# Altium PCB MiniPC.PcbDoc (part 21 of 23)
Units mm, origin at the board's own origin, x right, y up, seen from the top; angles counter-clockwise.
Board outline 175 x 155 mm, 16 copper layers (1_Top, 2_int1_(gnd), 3_int2_(power), 4_int3_(gnd), 5_int4_(sign), 6_int5_(power), 7_int6_(sign), 8_int7_(power), 9_int8_(gnd), 10_int9_(sign), 11_int10_(gnd), 12_int11_(sign), 13_int12_(gnd), 14_int13_(power), 15_int14_(gnd), 16_Bottom), stack 2.008 mm thick; 1046 components, 841 nets, 6010 pads, 4016 vias.
Unrouted connection lines stored in the file: 602.
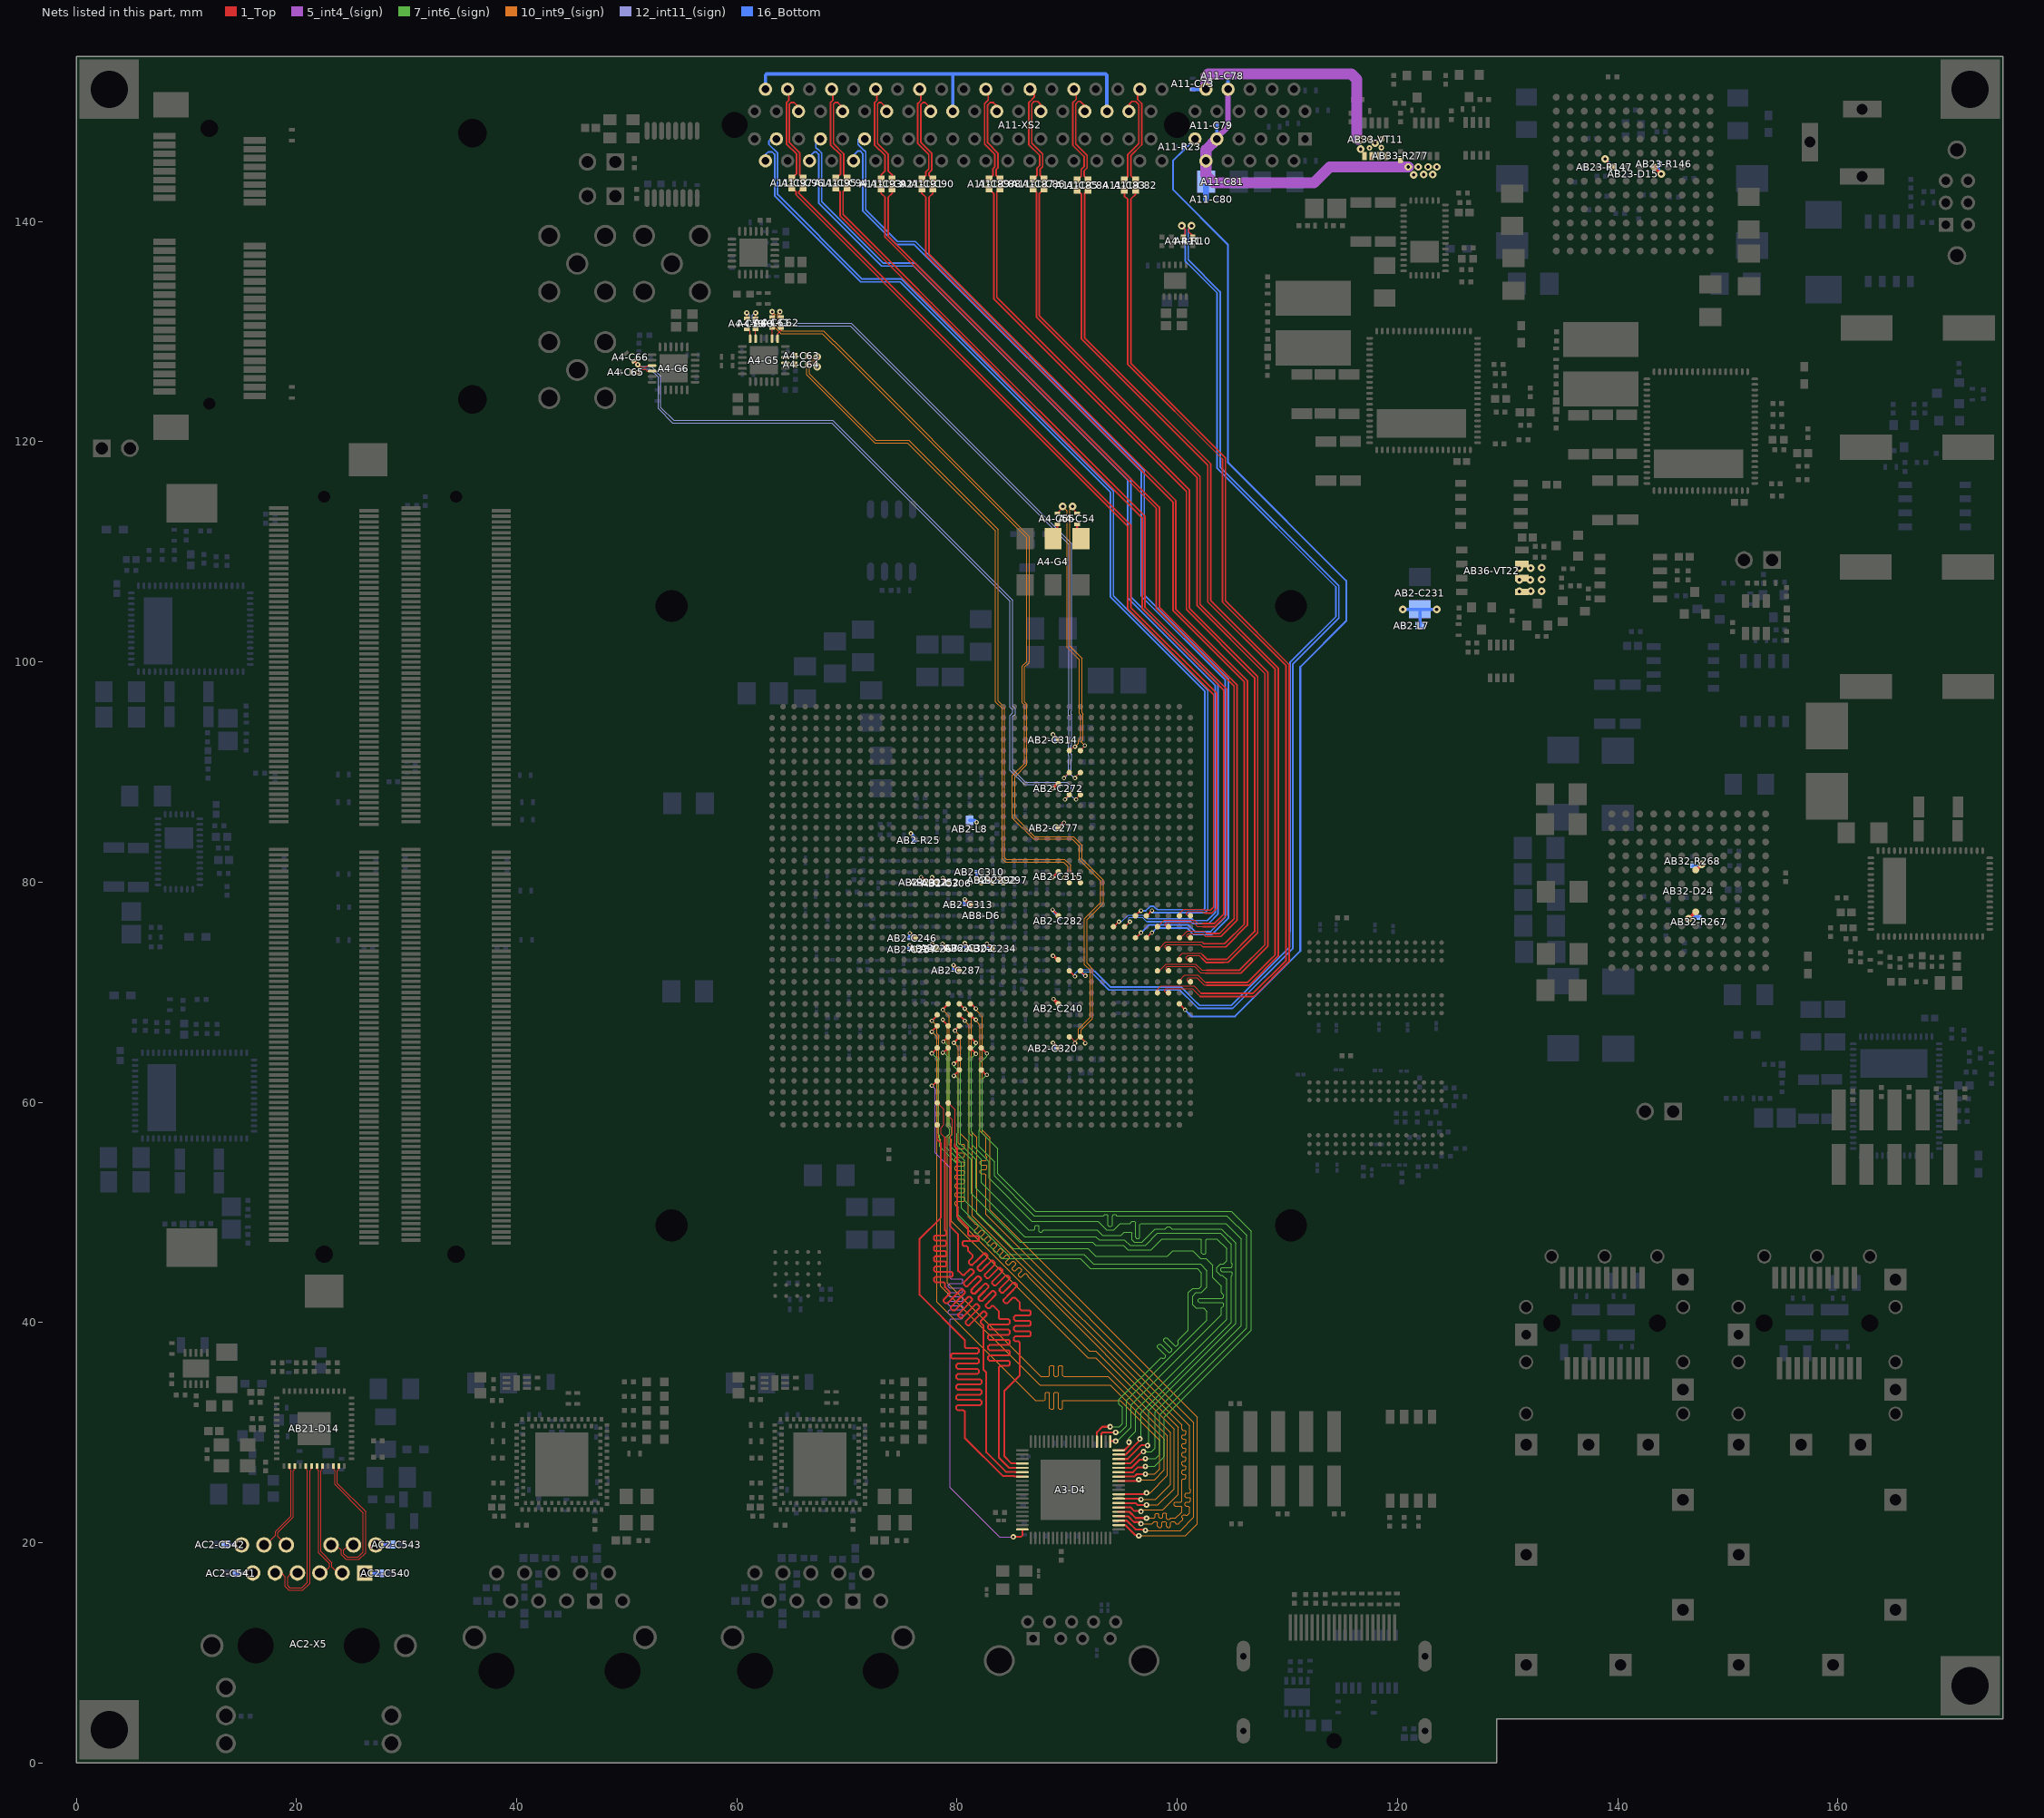
[diagram p35: the nets of this part, all layers, seen from the top]

## Via types
v1: diameter 0.4, hole 0.2, 1_Top to 16_Bottom, tented both sides, 1658 vias
v2: diameter 0.7, hole 0.3, 1_Top to 16_Bottom, tented both sides, 915 vias
v3: diameter 0.5, hole 0.2, 1_Top to 16_Bottom, tented both sides, 854 vias
v4: diameter 0.6, hole 0.2, 1_Top to 16_Bottom, 278 vias
v5: diameter 0.5, hole 0.2, 1_Top to 16_Bottom, 162 vias
v6: diameter 0.4, hole 0.2, 1_Top to 16_Bottom, 100 vias
v7: diameter 0.4/0/0/0/0/0/0/0/0/0/0/0/0/0/0/0.4 (per signal layer), hole 0.2, 1_Top to 16_Bottom, tented both sides, 18 vias
v8: diameter 0.4/0/0/0/0/0/0/0/0/0/0/0.4/0.4/0.4/0.4/0.4 (per signal layer), hole 0.2, 1_Top to 16_Bottom, tented both sides, 16 vias
v9: diameter 0.5, hole 0.254, 1_Top to 16_Bottom, 15 vias

## Nets (pads, with @x,y where several pads share a name; then routed paths per layer and width w, separated by ;. In a path a pad name is that pad's centre, name@x,y a point inside that pad or via, vN(x,y) a via of type N, cw(c..) or ccw(c..) an arc to the next point about the centre after c; other vN are vias at no path point) (continued)
PCIE.DL.RX5._N: A11-XS2.A40 AB8-D6.AB34 | length 95
  1_Top w0.1: v7@96.655,75.4 v7(96.7,75.4)
  1_Top w0.15: AB8-D6.AB34@96.194,74.939 96.239,74.939 v7(96.7,75.4)
  16_Bottom w0.15: A11-XS2.A40@70.6,145.5 70.6,146 71,146.4 71.2,146.4 71.43,146.17 71.43,144.125 71.43,142.185 71.43,140.958 74.488,137.9 76.1,137.9 96.73,117.27 96.73,105.97 104.36,98.34 104.36,76.83 103.03,75.5 101.6,75.5 101,76.1 97.4,76.1 v7(96.7,75.4)
PCIE.DL.RX5._P: A11-XS2.A39 AB8-D6.AB35 | length 94.9
  1_Top w0.1: v7@97.655,75.4 v7(97.7,75.4)
  1_Top w0.15: AB8-D6.AB35@97.194,74.939 v7@97.655,75.4
  16_Bottom w0.15: A11-XS2.A39@71.6,147.5 71.075,147.5 71,147.425 71,146.982 71.542,146.44 71.586,146.44 71.7,146.326 71.7,144.125 71.7,142.185 71.7,141.07 74.6,138.17 76.212,138.17 97,117.382 97,106.082 104.63,98.452 104.63,76.718 103.13,75.218 101.467,75.218 100.855,75.83 98.13,75.83 v7(97.7,75.4)
PCIE.DL.RX6._N: A11-XS2.A44 AB8-D6.AA32 | length 97.2
  1_Top w0.15: AB8-D6.AA32@94.194,75.939 94.239,75.939 v7(94.7,76.4)
  16_Bottom w0.1: v7(94.7,76.4) 94.941,76.4 95.556,77.015 96.94,77.015 97.285,76.67
  16_Bottom w0.15: A11-XS2.A44@66.6,145.5 66.6,145.9 67,146.3 67.23,146.3 67.43,146.1 67.43,144.045 67.43,141.76 67.43,141.673 73.153,135.95 76.05,135.95 95.5,116.5 95.5,105.8 103.43,97.87 103.43,77.215 102.715,76.5 101.5,76.5 101.33,76.67 97.285,76.67
PCIE.DL.RX6._P: A11-XS2.A43 AB8-D6.AA33 | length 97.3
  1_Top w0.15: AB8-D6.AA33@95.194,75.939 95.239,75.939 v7(95.7,76.4)
  16_Bottom w0.1: v7(95.7,76.4) 95.59,76.51 95.59,76.737 95.648,76.795 96.849,76.795 97.04,76.604 97.04,76.569 97.184,76.425 97.275,76.425 97.3,76.4
  16_Bottom w0.15: A11-XS2.A43@67.6,147.5 67.4,147.3 67.375,147.3 67.175,147.1 67.175,146.7 67.305,146.57 67.342,146.57 67.4,146.512 67.6,146.312 67.7,146.212 67.7,144.045 67.7,141.97 67.7,141.785 73.265,136.22 76.162,136.22 76.241,136.141 95.77,116.612 95.77,105.912 103.7,97.982 103.7,77.103 102.827,76.23 101.388,76.23 101.318,76.3 101.218,76.4 99.1,76.4 97.3,76.4
PCIE.DL.RX7._N: A11-XS2.A48 AB8-D6.Y34 | length 95.2
  1_Top w0.1: v7@96.655,77.4 v7(96.7,77.4)
  1_Top w0.15: AB8-D6.Y34@96.194,76.939 v7@96.655,77.4
  16_Bottom w0.15: A11-XS2.A48@62.6,145.5 62.6,146.07 62.84,146.31 63.22,146.31 63.43,146.1 63.43,142.328 71.258,134.5 74.83,134.5 93.93,115.4 93.93,105.87 102.5,97.3 102.5,77.6 102.385,77.485 98.174,77.485 97.864,77.795 97.536,77.795 97.141,77.4 v7(96.7,77.4)
PCIE.DL.RX7._P: A11-XS2.A47 AB8-D6.Y35 | length 95.2
  1_Top w0.15: AB8-D6.Y35@97.194,76.939 97.239,76.939 v7(97.7,77.4)
  16_Bottom w0.15: A11-XS2.A47@63.6,147.5 63.125,147.5 62.9,147.275 62.9,147.012 63.7,146.212 63.7,142.44 71.37,134.77 74.942,134.77 94.2,115.512 94.2,105.982 102.77,97.412 102.77,77.488 102.497,77.215 97.75,77.215 97.7,77.265 v7(97.7,77.4)
PCIE.DL.TX0._N: A11-C83.1 AB8-D6.AG36 | length 89.7
  1_Top w0.1: AB8-D6.AG36@98.194,69.939 98.194,70.224 98.519,70.549 101.51,70.549 102.16,69.9
  1_Top w0.15: A11-C83.1@95.2,142.86 95.2,142.3 95.5,142 95.5,127.018 104.1,118.418 104.1,105.425 109.88,99.645 109.88,72.892 106.888,69.9 102.16,69.9
PCIE.DL.TX0._P: A11-C82.1 AB8-D6.AG37 | length 89.9
  1_Top w0.1: AB8-D6.AG37@99.194,70.094 AB8-D6.AG37@99.194,69.939 98.967,69.939 98.837,70.07 98.837,70.205 98.961,70.329 101.355,70.329 102.085,69.6
  1_Top w0.15: A11-C82.1@96.2,142.86 96.2,142.455 95.77,142.025 95.77,127.13 104.37,118.53 104.37,105.537 110.15,99.757 110.15,72.78 106.97,69.6 102.085,69.6
PCIE.DL.TX1._N: A11-C85.1 AB8-D6.AF38 | length 87.2
  1_Top w0.1: AB8-D6.AF38@100.194,70.939 100.194,71.055 100.679,71.54 101.865,71.54 102.514,70.891 102.6,70.891
  1_Top w0.15: A11-C85.1@90.9,142.86 91.3,142.46 91.3,129.318 102.765,117.853 102.765,105.444 108.89,99.319 108.89,73.39 108.5,73 106.391,70.891 102.6,70.891
PCIE.DL.TX1._P: A11-C84.1 AB8-D6.AF39 | length 87.2
  1_Top w0.1: AB8-D6.AF39@101.194,70.939 101.011,70.939 100.91,71.04 100.91,71.21 101.02,71.32 101.774,71.32 102.448,70.646 102.619,70.646 102.644,70.621
  1_Top w0.15: A11-C84.1@91.9,142.86 91.57,142.53 91.57,129.43 103.035,117.965 103.035,105.556 109.16,99.431 109.16,73.278 106.582,70.7 106.503,70.621 102.644,70.621
PCIE.DL.TX2._N: A11-C87.1 AB8-D6.AE36 | length 88.6
  1_Top w0.1: AB8-D6.AE36@98.194,71.939 98.359,71.939 98.969,72.549 101.662,72.549 102.211,72 102.646,72
  1_Top w0.15: A11-C87.1@86.9,142.96 87.2,142.66 87.2,140.411 87.2,137.871 87.2,134.088 87.2,131.318 101.8,116.718 101.8,105.094 107.96,98.934 107.96,74.295 105.665,72 102.646,72
PCIE.DL.TX2._P: A11-C86.1 AB8-D6.AE37 | length 88.6
  1_Top w0.1: AB8-D6.AE37@99.194,71.939 99.016,71.939 98.954,72.001 98.954,72.22 99.064,72.329 101.571,72.329 102.12,71.78 102.485,71.78 102.535,71.73
  1_Top w0.15: A11-C86.1@87.9,142.96 87.47,142.53 87.47,140.411 87.47,137.871 87.47,131.43 102.07,116.83 102.07,105.206 108.23,99.046 108.23,74.183 105.777,71.73 102.535,71.73
PCIE.DL.TX3._N: A11-C89.1 AB8-D6.AD38 | length 86
  1_Top w0.1: AB8-D6.AD38@100.194,72.939 100.194,73.279 100.464,73.549 102.132,73.549 102.327,73.354
  1_Top w0.15: A11-C89.1@82.9,142.96 83.33,142.53 83.33,132.988 100.83,115.488 100.83,104.749 107.02,98.559 107.02,75.502 104.497,72.979 104.079,72.979 104.07,72.97 102.712,72.97 102.327,73.354
PCIE.DL.TX3._P: A11-C88.1 AB8-D6.AD39 | length 86
  1_Top w0.1: AB8-D6.AD39@101.194,72.939 100.925,72.939 100.797,73.068 100.797,73.185 100.941,73.329 101.971,73.329 102.216,73.084
  1_Top w0.15: A11-C88.1@83.9,142.96 83.6,142.66 83.6,133.1 101.1,115.6 101.1,104.861 107.29,98.671 107.29,75.39 106.87,74.97 104.609,72.709 104.191,72.709 104.182,72.7 102.6,72.7 102.216,73.084
PCIE.DL.TX4._N: A11-C91.1 AB8-D6.AC36 | length 87.9
  1_Top w0.1: AB8-D6.AC36@98.194,73.939 98.342,73.939 98.952,74.549 102.251,74.549 102.378,74.422
  1_Top w0.15: A11-C91.1@76.8,142.96 76.8,142.555 77.165,142.19 77.165,141.453 77.165,139.36 77.165,137.353 77.165,136.953 99.6,114.518 99.6,104.664 106.09,98.174 106.09,76.19 104.299,74.399 102.386,74.399 102.371,74.415
PCIE.DL.TX4._P: A11-C90.1 AB8-D6.AC37 | length 87.9
  1_Top w0.1: AB8-D6.AC37@99.194,73.939 99.009,73.939 98.908,74.041 98.908,74.193 99.044,74.329 102.106,74.329 102.318,74.117
  1_Top w0.15: A11-C90.1@77.8,142.96 77.8,142.555 77.435,142.19 77.435,137.065 99.87,114.63 99.87,104.776 106.36,98.286 106.36,76.078 104.399,74.117 102.318,74.117
PCIE.DL.TX5._N: A11-C93.1 AB8-D6.AB38 | length 85.4
  1_Top w0.1: AB8-D6.AB38@100.194,74.939 100.297,74.939 100.899,75.542 102.44,75.542 102.652,75.329
  1_Top w0.15: A11-C93.1@73.1,142.96 73.1,142.555 73.465,142.19 73.465,141.986 73.465,141.707 73.465,139.41 73.465,138.565 98.1,113.93 98.1,104.849 105.16,97.789 105.16,76.66 103.829,75.329 102.652,75.329
PCIE.DL.TX5._P: A11-C92.1 AB8-D6.AB39 | length 85.7
  1_Top w0.1: AB8-D6.AB39@101.314,75.059 AB8-D6.AB39@101.194,74.939 100.991,74.939 100.863,75.067 100.863,75.195 100.99,75.322 102.313,75.322 102.576,75.059 102.659,75.059
  1_Top w0.15: A11-C92.1@74.1,142.96 74.1,142.555 73.735,142.19 73.735,138.677 98.37,114.042 98.37,104.96 105.43,97.9 105.43,76.548 103.941,75.059 102.659,75.059
PCIE.DL.TX6._N: A11-C95.1 AB8-D6.AA36 | length 87.3
  1_Top w0.1: AB8-D6.AA36@98.194,75.939 98.804,76.549 101.562,76.549 101.911,76.2 102.3,76.2 102.325,76.225
  1_Top w0.15: A11-C95.1@69,143.06 69.365,142.695 69.365,140.535 75.207,134.693 77.505,132.395 90.17,119.73 96.8,113.1 96.8,104.833 104.23,97.403 104.23,77.13 103.325,76.225 102.325,76.225
PCIE.DL.TX6._P: A11-C94.1 AB8-D6.AA37 | length 87.4
  1_Top w0.1: AB8-D6.AA37@99.194,75.939 99.003,75.939 98.895,76.048 98.895,76.225 98.999,76.329 101.471,76.329 101.82,75.98 102.3,75.98 102.325,75.955
  1_Top w0.15: A11-C94.1@70,143.06 69.635,142.695 69.635,140.647 75.398,134.884 77.696,132.586 97.07,113.212 97.07,104.945 104.5,97.515 104.5,77.018 103.437,75.955 102.325,75.955
PCIE.DL.TX7._N: A11-C97.1 AB8-D6.Y38 | length 84.8
  1_Top w0.1: AB8-D6.Y38@100.194,76.939 100.194,77.144 100.595,77.545 102.405,77.545 102.5,77.45
  1_Top w0.15: A11-C97.1@65,143.06 65.365,142.695 65.365,142.435 95.5,112.3 95.5,104.8 103.3,97 103.3,77.722 103.028,77.45 102.5,77.45
PCIE.DL.TX7._P: A11-C96.1 AB8-D6.Y39 | length 84.9
  1_Top w0.1: AB8-D6.Y39@101.194,76.939 100.971,76.939 100.84,77.07 100.84,77.22 100.945,77.325 102.279,77.325 102.399,77.205 102.475,77.205 102.5,77.18
  1_Top w0.15: 65.635,142.712 65.635,142.695 ; A11-C96.1@66,143.06 65.635,142.695 ; 102.5,77.18 103.14,77.18 103.57,77.61 103.57,97.13 95.77,104.93 95.77,112.412 86.862,121.32 65.635,142.547 65.635,142.695
PCIE.PERSTn: A11-R23.1 A11-XS2.A11 AB8-D6.AH38 | length 97
  1_Top w0.17: AB8-D6.AH38@100.194,68.939 100.194,68.906 v1(100.7,68.4)
  16_Bottom w0.17: v1(100.7,68.4) 101.3,67.8 105.245,67.8 111.17,73.725 111.17,74.715 111.165,74.72 111.165,75.08 111.17,75.085 111.17,99.541 115.34,103.711 115.34,107.36 104.6,118.1 104.6,137.9 99.6,142.9 99.6,145.5 100.6,146.5 A11-R23.1@100.6,146.8 100.9,146.8 A11-XS2.A11@101.6,147.5
PCIE_aux3V3: A11-C73.2 A11-XS2.B10 AB33-VT11.5 AB33-VT11.6 AB33-VT11.7 AB33-VT11.8 | length 21.9
  5_int4_(sign) w1: A11-XS2.B10@102.6,152 102.6,153.2 102.8,153.4 115.8,153.4 116.3,152.9 116.3,147.55 v2@116.4,147.45
  16_Bottom w0.3: A11-C73.2@101.4,152 A11-XS2.B10@102.6,152
  other v2: 116.65,146.56 117.97,147.1 116.62,147.4
  other v5: 117.45,146.675 118.525,146.7 117.45,147.482 118.55,147.482
PCIE_DC_3V3: A11-C78.2 A11-C79.2 A11-C80.2 A11-C81.2 A11-XS2.A9 A11-XS2.A10 A11-XS2.B8 AB33-R277.1 | length 33.9
  1_Top w0.25: AB33-R277.1@120.27,145.55 AB33-R277.1@120.37,145.55
  5_int4_(sign) w0.5: A11-XS2.A9@103.6,147.5 103.6,147.6 104.6,148.6 A11-XS2.B8@104.6,152
  5_int4_(sign) w1: A11-XS2.A9@103.6,147.5 102.6,146.5 A11-XS2.A10@102.6,145.5 102.6,144.2 103.3,143.5 112.4,143.5 113.85,144.95 v2(120.97,144.95)
  16_Bottom w0.3: A11-XS2.A9@103.6,147.5 A11-C79.2@103.6,148.7 ; A11-XS2.B8@104.6,152 A11-C78.2@104.6,153.2
  16_Bottom w0.5: A11-C80.2@102.6,142 102.6,143.575 A11-C81.2@102.625,143.6 ; A11-C81.2@102.6,143.625 A11-XS2.A10@102.6,145.5
  other v2: 121.46,144.22 122.36,144.25 123.21,144.25 121.87,144.95 122.77,144.95 123.57,144.95
PCIE_REFCLK_QR0_N: A4-R11.2 AB8-D6.AE28 | length 98.3
  1_Top w0.15: AB8-D6.AE28@90.194,71.939 v7(90.7,71.433) ; v2(100.4,139.6) 100.7,139.3 100.7,138.85 A4-R11.2@100.55,138.7
  16_Bottom w0.1: v7(90.7,71.433) 90.7,71.685 91.065,72.05 92.332,72.05 92.503,71.878
  16_Bottom w0.15: 92.503,71.878 93.912,70.47 100.33,70.47 101.755,69.045 101.767,69.045 102.012,68.8 104.915,68.8 110.225,74.11 110.225,75.47 110.23,75.475 110.23,99.93 114.4,104.1 114.4,106.8 103.7,117.5 103.621,117.579 103.621,133.497 101.218,135.9 100.715,136.403 100.715,139.285 v2(100.4,139.6)
PCIE_REFCLK_QR0_P: A4-R10.2 AB8-D6.AE29 | length 98.1
  1_Top w0.15: AB8-D6.AE29@91.194,71.939 v7(91.65,71.483) ; v2(101.3,139.6) 101.04,139.34 101.04,139.06 A4-R10.2@101.4,138.7
  16_Bottom w0.1: v7(91.65,71.483) 91.518,71.483 91.396,71.605 91.396,71.72 91.506,71.83 92.17,71.83 92.4,71.6
  16_Bottom w0.15: 92.4,71.6 93.8,70.2 100.218,70.2 101.643,68.775 101.655,68.775 101.875,68.555 101.875,68.543 101.888,68.53 105.027,68.53 110.495,73.998 110.495,74.195 110.495,75.358 110.5,75.363 110.5,99.818 114.67,103.988 114.67,106.912 103.891,117.691 103.891,133.609 100.985,136.515 100.985,139.285 v2(101.3,139.6)
PCIE_TX0_C_N: A11-C83.2 A11-XS2.B15 | length 9.1
  1_Top w0.15: A11-C83.2@95.2,143.74 95.2,143.758 95.5,144.058 95.5,146.082 95.6,146.182 96.5,147.082 96.5,150.6 96.2,150.9 95.9,150.9 95.6,150.6 A11-XS2.B15@95.6,150
PCIE_TX0_C_P: A11-C82.2 A11-XS2.B14 | length 9.1
  1_Top w0.15: A11-C82.2@96.2,143.74 95.77,144.17 95.77,145.97 96.77,146.97 96.77,150.712 96.391,151.091 96.391,151.791 A11-XS2.B14@96.6,152
PCIE_TX1_C_N: A11-C85.2 A11-XS2.B20 | length 9.2
  1_Top w0.15: A11-XS2.B20@90.6,152 90.809,151.791 90.809,151.091 90.5,150.782 90.5,146.93 91.53,145.9 91.53,144.977 91.265,144.712 91.265,144.105 A11-C85.2@90.9,143.74
PCIE_TX1_C_P: A11-C84.2 A11-XS2.B19 | length 9.2
  1_Top w0.15: A11-XS2.B19@91.6,150 91.6,150.5 91.2,150.9 91,150.9 90.77,150.67 90.77,147.042 91.8,146.012 91.8,144.865 91.535,144.6 91.535,144.105 A11-C84.2@91.9,143.74
PCIE_TX2_C_N: A11-C87.2 A11-XS2.B24 | length 9.2
  1_Top w0.15: A11-XS2.B24@86.634,152 86.995,151.639 86.995,151.277 86.6,150.882 86.505,150.787 86.505,146.995 87.5,146 87.5,145.082 87.265,144.847 87.265,144.205 A11-C87.2@86.9,143.84
PCIE_TX2_C_P: A11-C86.2 A11-XS2.B23 | length 9.1
  1_Top w0.15: A11-XS2.B23@87.6,150 87.6,150.6 87.3,150.9 87,150.9 86.775,150.675 86.775,147.107 87.77,146.112 87.77,144.97 87.7,144.9 87.535,144.735 87.535,144.205 A11-C86.2@87.9,143.84
PCIE_TX3_C_N: A11-C89.2 A11-XS2.B28 | length 9
  1_Top w0.15: A11-XS2.B28@82.6,152 82.83,151.77 82.83,151.012 82.5,150.682 82.5,147.03 83.43,146.1 83.43,144.977 83.265,144.812 83.265,144.205 A11-C89.2@82.9,143.84
PCIE_TX3_C_P: A11-C88.2 A11-XS2.B27 | length 8.9
  1_Top w0.15: A11-XS2.B27@83.6,150 83.6,150.485 83.285,150.8 83,150.8 82.77,150.57 82.77,147.142 83.7,146.212 83.7,144.865 83.535,144.7 83.535,144.205 A11-C88.2@83.9,143.84
PCIE_TX4_C_N: A11-C91.2 A11-XS2.B34 | length 9
  1_Top w0.15: A11-XS2.B34@76.6,152 76.709,151.891 76.709,150.991 76.43,150.712 76.43,147.07 77.43,146.07 77.43,144.777 77.165,144.512 77.165,144.205 A11-C91.2@76.8,143.84
  16_Bottom w0.1: A11-XS2.B34@76.58,151.98 A11-XS2.B34@76.6,152
PCIE_TX4_C_P: A11-C90.2 A11-XS2.B33 | length 8.9
  1_Top w0.15: A11-XS2.B33@77.6,150 77.6,150.3 77.1,150.8 76.9,150.8 76.7,150.6 76.7,147.182 77.6,146.282 77.7,146.182 77.7,144.665 77.435,144.4 77.435,144.205 A11-C90.2@77.8,143.84
PCIE_TX5_C_N: A11-C93.2 A11-XS2.B38 | length 8.8
  1_Top w0.15: A11-XS2.B38@72.6,152 72.709,151.891 72.709,150.991 72.5,150.782 72.5,146.965 73.465,146 73.465,144.61 73.1,144.245 A11-C93.2@73.1,143.84
PCIE_TX5_C_P: A11-C92.2 A11-XS2.B37 | length 8.8
  1_Top w0.15: A11-XS2.B37@73.6,150 73.6,150.3 73.1,150.8 72.9,150.8 72.77,150.67 72.77,147.077 73.735,146.112 73.735,144.61 74.1,144.245 A11-C92.2@74.1,143.84
PCIE_TX6_C_N: A11-C95.2 A11-XS2.B42 | length 8.8
  1_Top w0.15: A11-XS2.B42@68.6,152 68.709,151.891 68.709,150.991 68.5,150.782 68.5,146.965 69.425,146.04 69.425,144.325 69.04,143.94 A11-C95.2@69,143.94
PCIE_TX6_C_P: A11-C94.2 A11-XS2.B41 | length 8.7
  1_Top w0.15: A11-XS2.B41@69.6,150 69.6,150.355 69.155,150.8 68.9,150.8 68.77,150.67 68.77,147.077 69.7,146.147 69.7,144.24 A11-C94.2@70,143.94
PCIE_TX7_C_N: A11-C97.2 A11-XS2.B46 | length 8.8
  1_Top w0.15: A11-XS2.B46@64.6,152 64.709,151.891 64.709,150.991 64.5,150.782 64.5,147.065 64.505,147.06 64.505,147.046 65.425,146.126 65.425,144.365 A11-C97.2@65,143.94
PCIE_TX7_C_P: A11-C96.2 A11-XS2.B45 | length 8.7
  1_Top w0.15: A11-XS2.B45@65.6,150 65.6,150.38 65.18,150.8 64.9,150.8 64.77,150.67 64.77,147.177 64.775,147.172 64.775,147.158 65.695,146.238 65.695,144.245 A11-C96.2@66,143.94
PLL_1V8: AB2-C231.2 AB2-C234.2 AB2-C240.2 AB2-C246.2 AB2-C252.2 AB2-C257.2 AB2-C262.2 AB2-C267.2 AB2-C272.2 AB2-C277.2 AB2-C282.2 AB2-C287.2 AB2-C292.2 AB2-C297.2 AB2-C302.2 AB2-C306.2 AB2-C310.2 AB2-C312.2 AB2-C313.2 AB2-C314.2 AB2-C315.2 AB2-C320.2 AB2-L7.1 AB2-L8.1 AB2-R25.1 AB8-D6.AB14 AB8-D6.AC14 AB8-D6.AC16 AB8-D6.AC17 AB8-D6.AC19 AB8-D6.AC21 AB8-D6.AD27 AB8-D6.AE18 AB8-D6.AH27 AB8-D6.AM27 AB8-D6.D27 AB8-D6.H27 AB8-D6.M27 AB8-D6.T27 AB8-D6.U15 AB8-D6.U16 AB8-D6.U17 AB8-D6.U20 AB8-D6.U21 AB8-D6.U22 AB8-D6.W19 AB8-D6.Y27 AB36-VT22.1 AB36-VT22.2 AB36-VT22.3 | length 34
  1_Top w0.2: v1(88.675,77.475) 89.194,76.956 AB8-D6.Y27@89.194,76.939 ; v1(88.7,80.45) 88.705,80.45 AB8-D6.T27@89.194,80.939
  1_Top w0.254: v1(88.7,65.4) 88.733,65.4 AB8-D6.AM27@89.194,64.939 ; v1(88.7,73.3) v1@88.7,73.366 ; v1@88.7,73.367 89.127,72.939 AB8-D6.AD27@89.194,72.939 ; v1(88.7,88.5) 89.139,88.939 AB8-D6.H27@89.194,88.939 ; v1(88.7,93.4) 88.733,93.4 AB8-D6.D27@89.194,92.939 ; AB8-D6.M27@89.194,84.939 89.239,84.939 v1(89.7,85.4)
  1_Top w0.3: v1(75.679,74.279) 75.746,74.279 76.086,73.939 AB8-D6.AC14@76.194,73.939 ; v1(75.704,75.354) 75.746,75.354 76.161,74.939 AB8-D6.AB14@76.194,74.939 ; v1(76.725,80.45) 77.194,79.981 AB8-D6.U15@77.194,79.939 ; v1(77.725,74.375) 78.161,73.939 AB8-D6.AC16@78.194,73.939 ; v1(77.725,80.425) 77.725,80.408 AB8-D6.U16@78.194,79.939 ; v1(78.675,74.4) 79.136,73.939 AB8-D6.AC17@79.194,73.939 ; v1(78.7,80.375) 79.136,79.939 AB8-D6.U17@79.194,79.939 ; v1(79.675,72.45) 80.186,71.939 AB8-D6.AE18@80.194,71.939 ; v1(80.7,74.45) 80.7,74.433 AB8-D6.AC19@81.194,73.939 ; v1(80.7,78.425) 81.186,77.939 AB8-D6.W19@81.194,77.939 ; v1(81.675,80.4) 82.136,79.939 AB8-D6.U20@82.194,79.939 ; v1(82.7,74.4) 82.733,74.4 AB8-D6.AC21@83.194,73.939 ; v1(82.725,80.425) 82.725,80.408 AB8-D6.U21@83.194,79.939 ; v1(83.7,80.375) 84.136,79.939 AB8-D6.U22@84.194,79.939 ; v1(88.76,69.373) AB8-D6.AH27@89.194,68.939
  16_Bottom w0.2: v1(88.7,65.4) 88.96,65.14 AB2-C320.2@88.96,64.9 ; v1(88.7,80.45) 89.01,80.76 AB2-C315.2@89.225,80.76 ; v1(88.7,88.5) 88.95,88.75 AB2-C272.2@89.22,88.75 ; v1(88.7,93.4) 88.96,93.14 AB2-C314.2@88.96,92.9 ; v1(88.76,69.373) 88.827,69.373 89.2,69 AB2-C240.2@89.2,68.76 ; AB2-C277.2@89.06,84.9 89.2,84.9 v1(89.7,85.4)
  16_Bottom w0.3: v1(75.679,74.279) 75.679,73.861 AB2-C257.2@75.69,73.85 ; AB2-C246.2@75.69,74.875 75.704,74.889 v1(75.704,75.354) ; v1(75.8,84.425) 76.025,84.2 AB2-R25.1@76.025,83.8 ; AB2-C312.2@76.715,79.95 76.725,79.96 v1(76.725,80.45) ; AB2-C267.2@77.665,73.95 77.665,74.315 v1(77.725,74.375) ; v1(77.725,80.425) 77.725,79.965 AB2-C252.2@77.74,79.95 ; v1(78.675,74.4) 78.69,74.385 AB2-C262.2@78.69,73.975 ; v1(78.7,80.375) 78.815,80.26 AB2-C306.2@78.815,79.9 ; v1(79.675,72.45) 79.69,72.435 AB2-C287.2@79.69,71.95 ; v1(80.7,74.45) 80.7,74.14 AB2-C302.2@80.865,73.975 ; v1(80.7,78.425) 80.7,77.99 AB2-C313.2@80.74,77.95 ; AB2-L8.1@81.15,85.6 81.6,85.6 v1(81.775,85.425) ; v1(81.675,80.4) 81.79,80.515 AB2-C310.2@81.79,80.925 ; v1(82.7,74.4) 82.934,74.166 AB2-C234.2@82.934,73.994 ; v1(82.725,80.425) 82.725,80.211 83.021,79.915 AB2-C292.2@83.2,79.915 ; AB2-C234.2@82.89,73.95 AB2-C234.2@82.934,73.994 ; AB2-C234.2@82.934,73.939 AB2-C234.2@82.934,73.994 ; v1(83.7,80.375) 83.7,80.211 84.021,79.89 AB2-C297.2@84.2,79.89 ; v1(88.675,77.475) 88.675,77.425 89.225,76.875 AB2-C282.2@89.225,76.71 ; v2(120.475,104.75) 120.5,104.775 AB2-C231.2@122.025,104.775 AB2-C231.2@122.05,104.775 ; AB2-L7.1@122.025,103.3 122.05,103.325 AB2-C231.2@122.05,104.775 ; v2(123.55,104.775) AB2-C231.2@122.05,104.775
  other v2: 131.06,106.39 133.08,106.42 132.09,106.43 131.08,107.46 132.05,107.45 133.1,107.49 131.08,108.51 132.1,108.52 133.1,108.55
PRESENT: A11-XS2.B17 A11-XS2.B31 A11-XS2.B48 | length 39.1
  16_Bottom w0.3: A11-XS2.B48@62.6,152 62.6,153.3 62.7,153.4 79.6,153.4 ; A11-XS2.B31@79.6,150 79.6,153.4 ; A11-XS2.B17@93.6,150 93.6,153.3 93.5,153.4 79.6,153.4
REFCLK0_FMCB_C_N: A4-C61.1 A4-G5.14 | length 1
  1_Top w0.1: A4-G5.14@63.2,129.35 A4-C61.1@63.2,130.3
REFCLK0_FMCB_C_P: A4-C62.1 A4-G5.13 | length 1.1
  1_Top w0.1: A4-G5.13@63.7,129.35 63.7,129.795 64,130.095 A4-C62.1@64,130.3
REFCLK0_FMCB_N: A4-C61.2 AB8-D6.AL28 | length 87.2
  1_Top w0.1: A4-C61.2@63.2,131.3 63.2,131.31 63.3,131.41 63.3,131.59 63.2,131.69 v3(63.2,131.8) ; AB8-D6.AL28@90.194,65.939 90.261,65.939 90.73,65.47 90.71,65.45 v1(90.71,65.37)
  10_int9_(sign) w0.09: v3(63.2,131.8) 63.46,131.54 63.46,130.326 63.986,129.8 67.761,129.8 68.701,128.86 68.74,128.86 86.33,111.27 86.33,100.099 86.305,100.074 86.305,100.02 85.9,99.614 85.9,96.273 86.1,96.073 86.1,90.764 85.01,89.674 85.01,85.826 86.936,83.9 90.46,83.9 91.11,83.25 91.11,82.015 93.05,80.075 93.05,78.164 91.55,76.664 91.55,72.525 92.075,72 92.075,67.714 91.03,66.669 91.03,65.83 90.71,65.51 v1(90.71,65.37)